# Allegro board 1156197-TDI_VU3P_QSFP28_CXP_V001_1023A-166-20241121_1644_PCB.brd (continued)
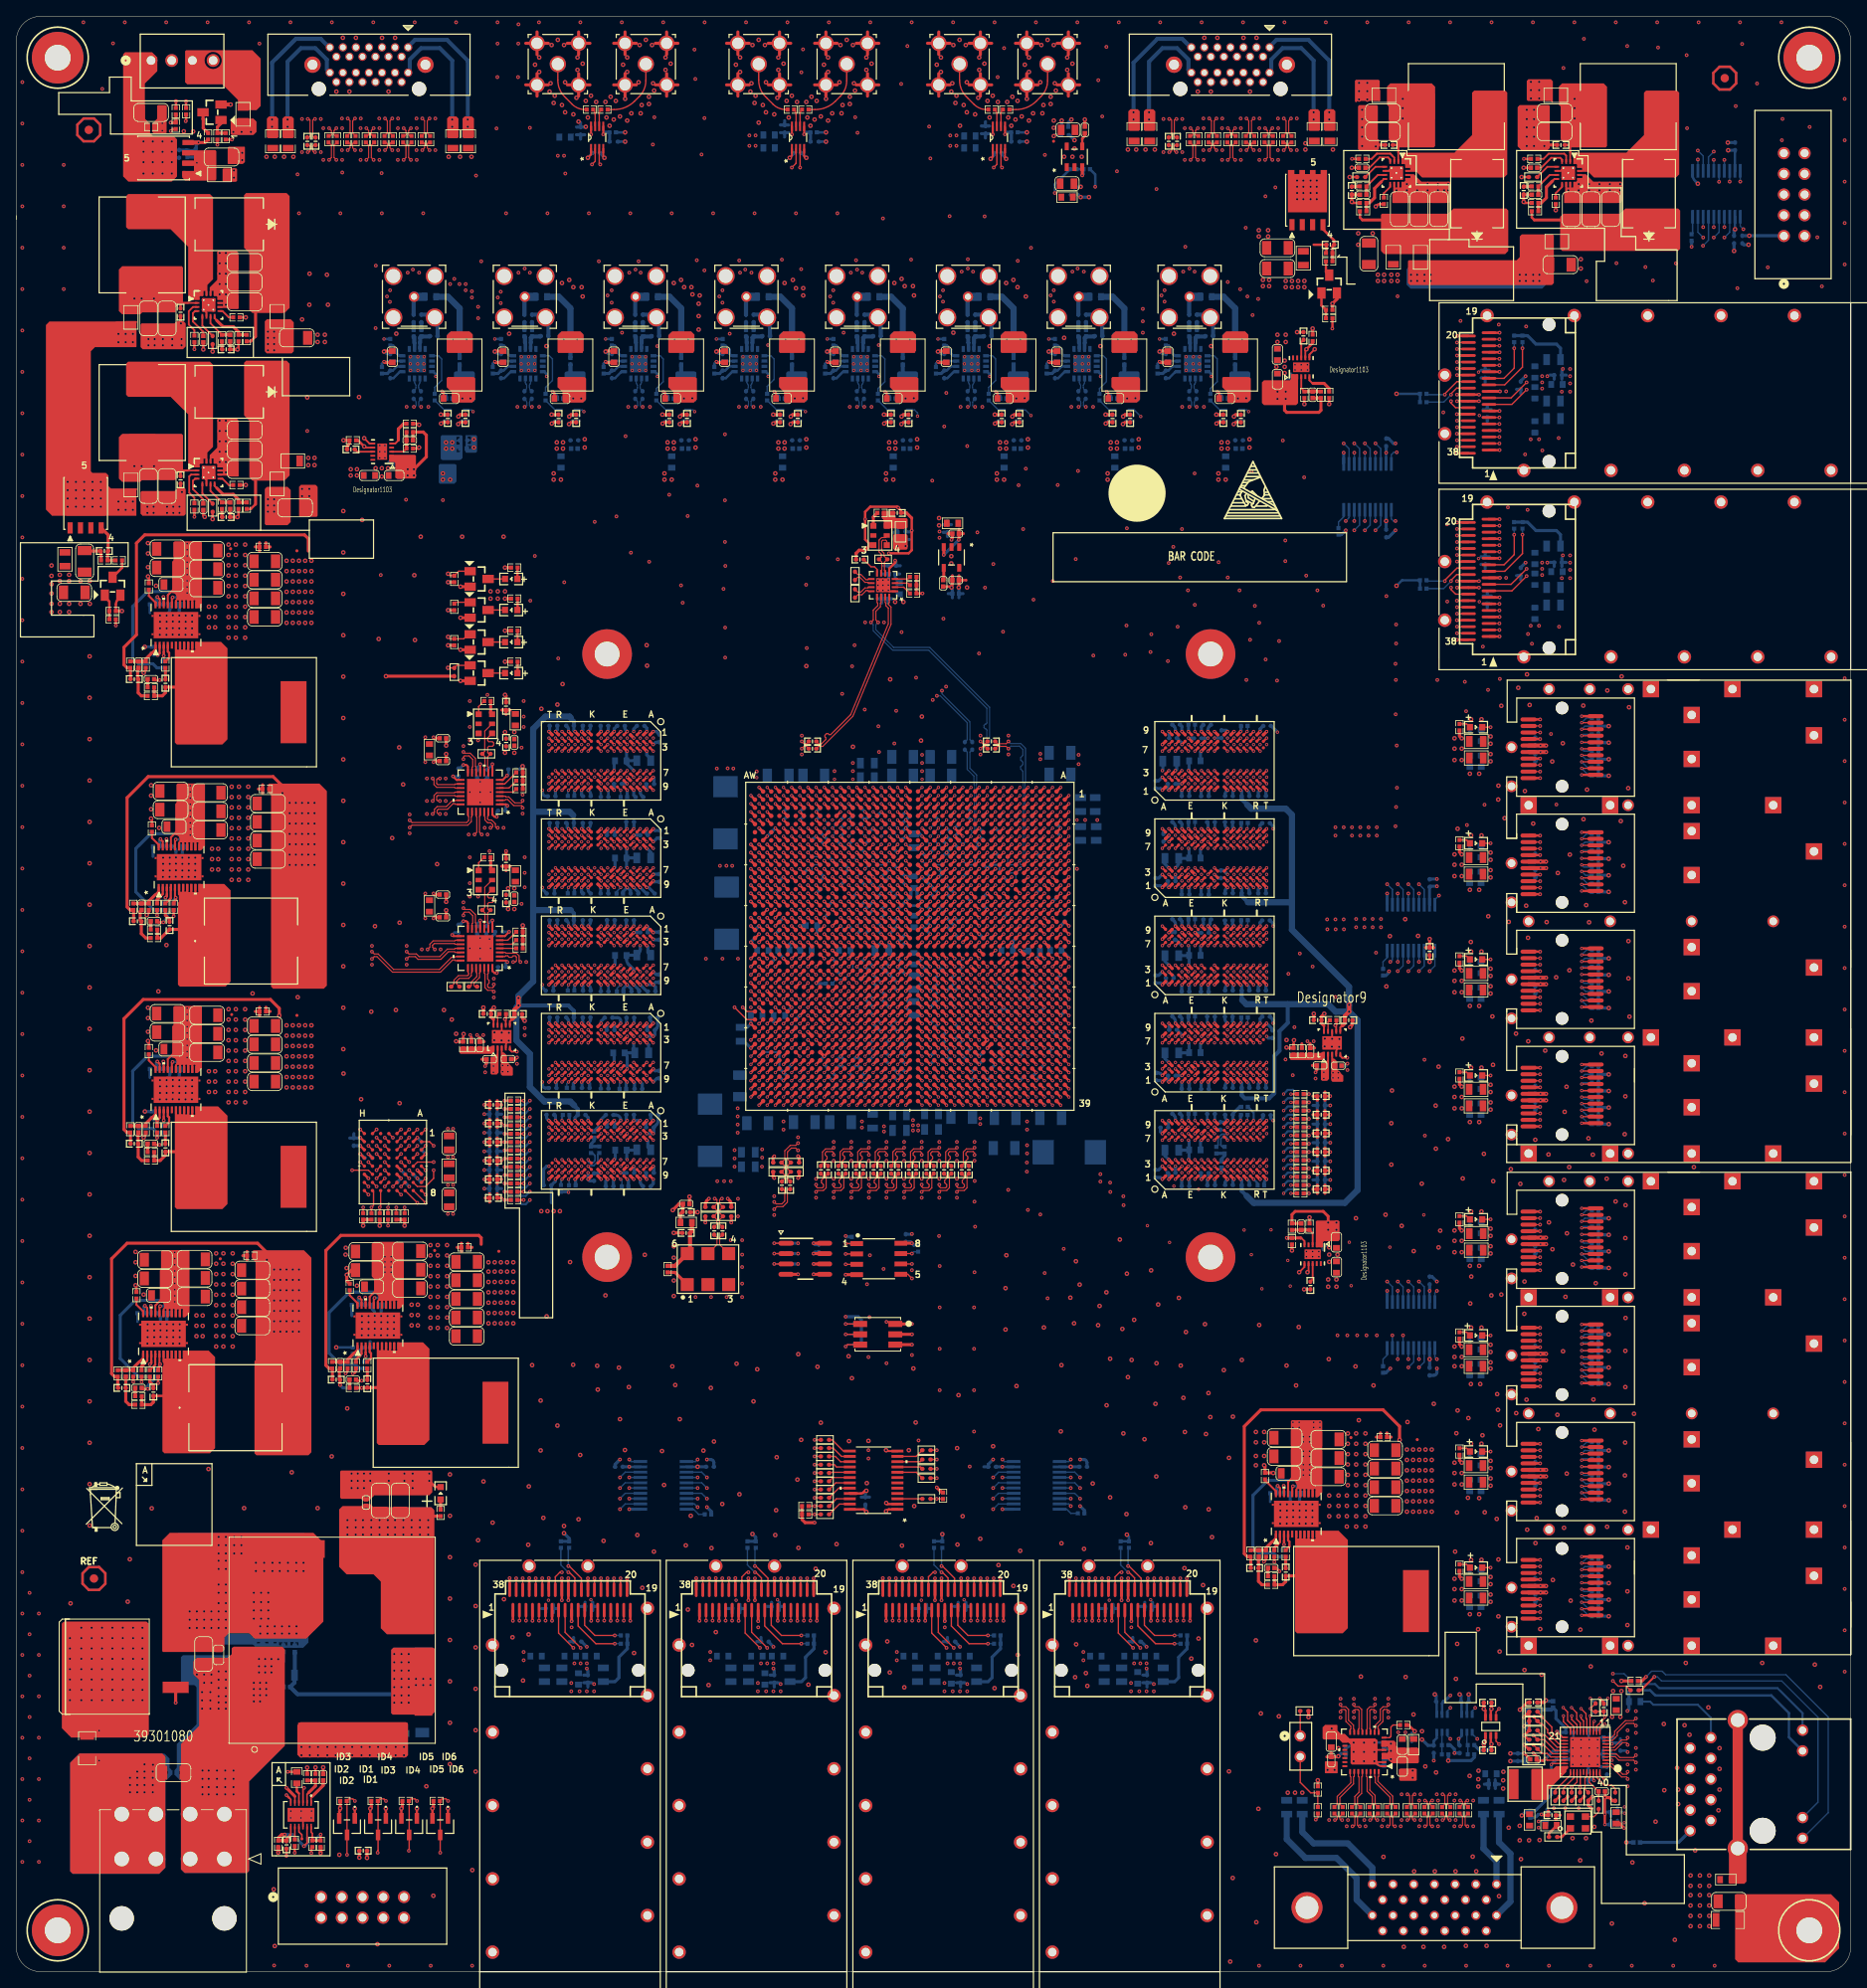
[diagram p0: board, top side]
## Routing (per net, layer and track width the routed paths; a pad name or vN(x,y) marks a point on that pad's centre or on a via; arc(x,y) is an arc through that point) (continued)
  ART12 w0.122: v1(164.34,129.21) 163.83,129.72 163.83,134.37 169.9,140.44 169.9,202.14 181.38,213.61 206.4,213.61 v1(206.9,214.12)
  BOTTOM w0.17: U4.8 v1(206.9,214.12)
CHA_FAN_PWM: length 210.3
  TOP w0.305: R590.1 20.83,227.18 v1(20.78,227.13)
  ART16 w0.122: v1(20.78,227.13) 22.56,227.13 23.37,226.31 23.37,220.47 24.77,219.07 30.1,219.07 31.88,217.3 122.56,217.3 125.09,219.84 131.44,219.84 131.95,220.34 133.6,220.34 134.11,219.84 137.29,219.84 141.86,215.26 153.92,215.26 158.24,210.95 202.18,210.95 207.26,216.03 207.26,221.41 v1(206.25,222.42)
  BOTTOM w0.17: U4.12 v1(206.25,222.42)
CHA_FAN_PWM_1V8: length 218.6
  TOP w0.152: U1.H31 v1(122.1,114.36)
  ART03 w0.122: v1(164.34,128.19) 164.34,125.35 165.86,123.83 165.86,96.25 163.34,93.73 140.95,93.73 131.67,103 131.67,113.26 131.06,113.87 131.06,114.68 129.67,116.08 129.67,116.59 129.41,116.84 126.87,116.84 126.62,117.09 126.62,117.48 126.24,117.86 122.94,117.86 122.56,117.47 122.56,114.81 v1(122.1,114.36)
  ART12 w0.122: v1(164.34,128.19) 164.85,128.7 164.85,129.54 164.34,130.05 164.34,134.23 170.41,140.3 170.41,201.93 181.33,212.85 v1(206.9,212.85)
  BOTTOM w0.17: U4.9 206.25,213.5 v1(206.9,212.85)
CHA_FAN_PWREN: length 289.3
  TOP w0.152: U1.K27 v1(120.1,118.36)
  TOP w0.305: R587.2 v1(26.44,224.87)
  ART12 w0.254: v1(26.44,224.87) 27.86,224.87 29.34,223.39 29.34,221.62 31.67,219.28 116.48,219.28 122.48,213.28 145.36,213.28 149.71,208.94 158.9,208.94 162.43,205.41 162.43,192.15 161.04,190.75 161.04,173.99 162.56,172.47 162.56,140.72 v1(162.81,140.46)
  ART14 w0.254: v1(162.81,140.46) 162.43,140.08 162.43,138.3 160.99,136.86 122.84,136.86 122.58,136.6 122.58,136.09 122.34,135.86 114.9,135.86 114.6,135.56 114.6,133.14 114.31,132.86 113.88,132.86 113.6,132.57 113.6,118.11 113.85,117.86 119.38,117.86 119.88,118.36 v1(120.1,118.36)
CHA_FPGA_DDR4_C1_A0: length 130.7
  TOP w0.267: U11.P3 v3(66.93,114) ; U1.AH9 v1(101.1,137.36) ; U7.P3 v3(66.93,125.94) ; U8.P3 v3(66.93,137.88) ; U10.P3 v3(66.93,149.82) ; U9.P3 v3(66.93,102.06)
  ART05 w0.122: v3(66.93,149.82) 66.93,148.16 66.53,147.76 66.53,144.44 66.65,144.32 66.83,144.32 66.95,144.2 66.95,143.95 66.83,143.83 66.27,143.83 66.15,143.71 66.15,143.49 66.3,143.34 66.83,143.34 66.95,143.22 66.95,142.98 66.83,142.85 66.27,142.85 66.15,142.73 66.15,142.51 66.3,142.37 66.83,142.37 66.95,142.24 66.95,142 66.83,141.88 66.27,141.88 66.15,141.76 66.15,141.54 66.3,141.39 66.83,141.39 66.95,141.27 66.95,141.03 66.83,140.9 66.65,140.9 66.53,140.78 66.53,138.28 v3(66.93,137.88) 66.93,136.22 66.53,135.82 66.53,132.5 66.65,132.38 66.81,132.38 66.93,132.26 66.93,132.01 66.81,131.89 66.65,131.89 66.53,131.77 66.53,131.58 66.7,131.4 66.81,131.4 66.93,131.28 66.93,131.04 66.81,130.92 66.65,130.92 66.53,130.79 66.53,130.6 66.7,130.43 66.81,130.43 66.93,130.31 66.93,130.06 66.81,129.94 66.65,129.94 66.53,129.82 66.53,129.58 66.65,129.45 66.81,129.45 66.95,129.31 66.95,129.09 66.83,128.97 66.65,128.97 66.53,128.84 66.53,126.34 v3(66.93,125.94) 66.93,124.28 66.53,123.88 66.53,120.56 66.65,120.44 66.81,120.44 66.93,120.32 66.93,120.08 66.81,119.95 66.65,119.95 66.53,119.83 66.53,119.64 66.7,119.47 66.81,119.47 66.93,119.34 66.93,119.1 66.81,118.98 66.65,118.98 66.53,118.86 66.53,118.66 66.7,118.49 66.81,118.49 66.93,118.37 66.93,118.12 66.81,118 66.65,118 66.53,117.88 66.53,117.64 66.65,117.52 66.81,117.52 66.95,117.37 66.95,117.15 66.83,117.03 66.65,117.03 66.53,116.91 66.53,114.4 v3(66.93,114) 66.93,112.35 66.53,111.95 66.53,108.63 66.65,108.5 66.81,108.5 66.93,108.38 66.93,108.14 66.81,108.02 66.65,108.02 66.53,107.89 66.53,107.7 66.7,107.53 66.81,107.53 66.93,107.41 66.93,107.16 66.81,107.04 66.65,107.04 66.53,106.92 66.53,106.73 66.7,106.55 66.81,106.55 66.93,106.43 66.93,106.19 66.81,106.07 66.65,106.07 66.53,105.94 66.53,105.7 66.65,105.58 66.81,105.58 66.95,105.43 66.95,105.21 66.83,105.09 66.65,105.09 66.53,104.97 66.53,102.46 v3(66.93,102.06)
  ART07 w0.165: v3(66.93,102.06) 66.85,102.06 66.52,102.39 66.52,103.05 66.31,103.26 65.07,103.26
  ART07 w0.191: v1(62.99,102.84) 63.6,102.84 64.02,103.26 65.07,103.26
  ART12 w0.165: 67.33,152.75 U10.P3 v3(66.93,149.82)
  ART12 w0.191: 67.33,152.75 70.7,156.12 90.46,156.12 91.07,155.51 91.34,155.51 91.75,155.91 92.01,155.91 92.28,155.64 92.28,155.38 91.88,154.97 91.88,154.7 92.15,154.43 92.42,154.43 92.82,154.84 93.09,154.84 93.36,154.57 93.36,154.3 92.96,153.89 92.96,153.62 93.23,153.35 93.5,153.35 93.9,153.76 94.17,153.76 94.44,153.49 94.44,153.22 93.99,152.77 93.99,152.5 94.25,152.23 94.53,152.23 94.98,152.68 95.25,152.68 95.52,152.41 95.52,152.14 95.11,151.74 95.11,151.47 95.71,150.87 95.71,149.2 96.47,148.44 96.61,148.44 96.98,148.07 97.25,148.07 97.75,148.57 98.02,148.57 98.29,148.3 98.29,148.03 97.79,147.53 97.79,147.26 98.06,146.99 98.33,146.99 98.69,147.35 98.96,147.35 99.23,147.08 99.23,146.81 98.87,146.45 98.87,146.18 99.53,145.52 99.53,143.04 99.92,142.65 100.22,142.65 100.93,141.94 101.11,141.94 101.6,141.45 101.6,138.15 101.1,137.65 v1(101.1,137.36)
  BOTTOM w0.267: v1(62.99,102.84) 62.48,102.34 61.97,102.34 R95.1
CHA_FPGA_DDR4_C1_A1: length 125.6
  TOP w0.267: U10.P7 v3(66.93,147.42) ; U7.P7 v3(66.93,123.54) ; U9.P7 v3(66.93,99.66) ; U1.AL10 v1(98.1,136.36) ; U8.P7 v3(66.93,135.48) ; U11.P7 v3(66.93,111.6) ; R96.1 v1(62.23,99.8)
  ART07 w0.165: v3(66.93,99.66) 66.9,99.66 66.5,99.26 65.1,99.26 65.05,99.31
  ART07 w0.191: 65.05,99.31 62.71,99.31 v1(62.23,99.8)
  ART12 w0.191: v1(98.1,136.36) 98.58,136.83 98.58,141.5 98.2,141.88 95.58,141.88 94.59,142.88 94.59,145.75 94.4,145.94 93.87,145.94 93.68,146.13 93.68,146.51 93.87,146.7 94.14,146.7 94.33,146.89 94.33,147.43 94.55,147.65 94.55,147.92 94.28,148.19 94.01,148.19 93.8,147.97 93.53,147.97 93.26,148.24 93.26,148.51 93.47,148.73 93.47,149 93.2,149.27 92.93,149.27 92.72,149.05 92.45,149.05 92.18,149.32 92.18,149.59 92.39,149.81 92.39,150.07 92.12,150.34 91.85,150.34 91.64,150.13 91.37,150.13 91.1,150.4 91.1,150.67 91.32,150.88 91.32,151.15 91.05,151.42 90.78,151.42 90.56,151.21 90.29,151.21 90.02,151.48 90.02,151.75 90.24,151.96 90.24,152.23 89.97,152.5 89.7,152.5 89.48,152.28 89.21,152.28 88.94,152.55 88.94,152.82 89.16,153.04 89.16,153.31 88.89,153.58 88.62,153.58 88.41,153.36 88.14,153.36 88.02,153.48 71.31,153.48 70.61,152.78 70.61,149.6 70.36,149.35 68.88,149.35 68.51,148.98 68.51,148.27 68.32,148.08 67.94,148.08 67.75,148.27 67.75,148.98 67.56,149.17 67.12,149.17 66.93,148.98 v3(66.93,147.42)
  ART16 w0.122: v3(66.93,147.42) 66.53,147.02 66.53,144.5 66.41,144.38 66.26,144.38 66.14,144.26 66.14,144.01 66.26,143.89 66.64,143.89 66.76,143.77 66.76,143.53 66.64,143.4 66.21,143.4 66.09,143.28 66.09,143.04 66.21,142.92 66.64,142.92 66.76,142.79 66.76,142.55 66.64,142.43 66.29,142.43 66.17,142.31 66.17,142.06 66.29,141.94 66.64,141.94 66.76,141.82 66.76,141.58 66.64,141.45 66.26,141.45 66.14,141.33 66.14,141.09 66.26,140.97 66.41,140.97 66.53,140.84 66.53,135.88 v3(66.93,135.48) 66.53,135.08 66.53,132.49 66.41,132.36 66.26,132.36 66.14,132.24 66.14,132 66.26,131.88 66.41,131.88 66.56,131.73 66.56,131.51 66.43,131.39 66.26,131.39 66.14,131.27 66.14,131.02 66.26,130.9 66.41,130.9 66.56,130.75 66.56,130.54 66.43,130.41 66.26,130.41 66.14,130.29 66.14,130.05 66.26,129.93 66.41,129.93 66.56,129.78 66.56,129.56 66.43,129.44 66.26,129.44 66.14,129.32 66.14,129.07 66.26,128.95 66.41,128.95 66.53,128.83 66.53,123.94 v3(66.93,123.54) 66.53,123.14 66.53,120.55 66.41,120.43 66.26,120.43 66.14,120.3 66.14,120.06 66.26,119.94 66.32,119.94 66.45,119.82 66.45,119.57 66.32,119.45 66.26,119.45 66.14,119.33 66.14,119.08 66.26,118.96 66.41,118.96 66.56,118.82 66.56,118.6 66.43,118.48 66.26,118.48 66.14,118.35 66.14,118.11 66.26,117.99 66.41,117.99 66.56,117.84 66.56,117.62 66.43,117.5 66.26,117.5 66.14,117.38 66.14,117.13 66.26,117.01 66.41,117.01 66.53,116.89 66.53,112 v3(66.93,111.6) 66.53,111.2 66.53,108.61 66.41,108.49 66.26,108.49 66.14,108.37 66.14,108.12 66.26,108 66.32,108 66.45,107.88 66.45,107.63 66.32,107.51 66.26,107.51 66.14,107.39 66.14,107.15 66.26,107.02 66.41,107.02 66.56,106.88 66.56,106.66 66.43,106.54 66.26,106.54 66.14,106.42 66.14,106.17 66.26,106.05 66.41,106.05 66.56,105.9 66.56,105.68 66.43,105.56 66.26,105.56 66.14,105.44 66.14,105.2 66.26,105.07 66.41,105.07 66.53,104.95 66.53,100.06 v3(66.93,99.66)
CHA_FPGA_DDR4_C1_A2: length 128.7
  TOP w0.267: U8.R3 v3(66.13,137.88) ; U9.R3 v3(66.13,102.06) ; R97.1 v1(62.23,101.83) ; U10.R3 v3(66.13,149.82) ; U1.AJ11 v1(100.1,135.36) ; U7.R3 v3(66.13,125.94) ; U11.R3 v3(66.13,114)
  ART05 w0.122: v3(66.13,102.06) 65.73,102.46 65.73,106.81 65.85,106.94 65.92,106.94 66.04,107.06 66.04,107.3 65.92,107.42 65.85,107.42 65.73,107.55 65.73,107.79 65.85,107.91 65.92,107.91 66.04,108.03 66.04,108.28 65.92,108.4 65.85,108.4 65.73,108.52 65.73,112.57 65.85,112.69 66.4,112.69 66.52,112.81 66.52,113.06 66.4,113.18 65.85,113.18 65.73,113.3 65.73,113.6 v3(66.13,114) 65.73,114.4 65.73,118.75 65.85,118.87 65.92,118.87 66.04,119 66.04,119.24 65.92,119.36 65.85,119.36 65.73,119.48 65.73,119.73 65.85,119.85 65.92,119.85 66.04,119.97 66.04,120.21 65.92,120.34 65.85,120.34 65.73,120.46 65.73,124.51 65.85,124.63 66.4,124.63 66.52,124.75 66.52,124.99 66.4,125.12 65.85,125.12 65.73,125.24 65.73,125.54 v3(66.13,125.94) 65.73,126.34 65.73,130.69 65.85,130.81 65.92,130.81 66.04,130.93 66.04,131.18 65.92,131.3 65.85,131.3 65.73,131.42 65.73,131.66 65.85,131.79 65.92,131.79 66.04,131.91 66.04,132.15 65.92,132.27 65.85,132.27 65.73,132.4 65.73,136.44 65.85,136.57 66.4,136.57 66.52,136.69 66.52,136.93 66.4,137.05 65.85,137.05 65.73,137.18 65.73,137.48 v3(66.13,137.88) 65.73,138.28 65.73,140.82 65.61,140.95 65.32,140.95 65.2,141.07 65.2,141.31 65.32,141.43 65.61,141.43 65.73,141.56 65.73,141.8 65.61,141.92 65.32,141.92 65.2,142.04 65.2,142.29 65.32,142.41 65.61,142.41 65.73,142.53 65.73,142.78 65.61,142.9 65.32,142.9 65.2,143.02 65.2,143.26 65.32,143.39 65.61,143.39 65.73,143.51 65.73,143.75 65.61,143.87 65.32,143.87 65.2,143.99 65.2,144.24 65.32,144.36 65.61,144.36 65.73,144.48 65.73,148.38 65.85,148.5 66.4,148.5 66.52,148.63 66.52,148.87 66.4,148.99 65.85,148.99 65.73,149.11 65.73,149.42 v3(66.13,149.82)
  ART07 w0.165: v3(66.13,102.06) 65.73,102.46 64.97,102.46
  ART07 w0.191: 64.97,102.46 64.87,102.36 62.76,102.36 v1(62.23,101.83)
  ART12 w0.165: 66.53,152.48 U10.R3 v3(66.13,149.82)
  ART12 w0.191: v1(100.1,135.36) 100.58,135.84 101.27,135.84 101.6,136.17 101.6,137.54 101.93,137.87 102.31,137.87 102.62,138.17 102.62,141.5 102.29,141.83 101.85,141.83 101.52,142.17 101.52,142.6 101.3,142.82 101.04,142.82 100.66,143.21 100.66,145.46 99.69,146.43 99.69,147.97 100.09,148.36 100.09,148.63 99.82,148.9 99.55,148.9 99.16,148.5 98.89,148.5 97.99,149.41 97.72,149.41 97.43,149.12 97.16,149.12 96.89,149.39 96.89,149.66 97.18,149.94 97.18,150.21 96.97,150.42 96.97,151.85 92.13,156.69 70.41,156.69 66.53,152.81 66.53,152.48
CHA_FPGA_DDR4_C1_A3: length 122
  TOP w0.267: U1.AR8 v1(94.1,138.36) ; U10.N7 v3(67.73,147.42) ; U11.N7 v3(67.73,111.6) ; U7.N7 v3(67.73,123.54) ; U8.N7 v3(67.73,135.48) ; U9.N7 v3(67.73,99.66)
  ART07 w0.165: v3(67.73,147.42) 68.12,147.02 68.12,144.91
  ART07 w0.191: 68.12,144.91 68.12,144.08 68.31,143.89 78.49,143.89 79.36,144.77 79.36,147.46 81.62,149.72 82.38,149.72 82.58,149.53 82.58,149.1 82.77,148.91 83.15,148.91 83.34,149.1 83.34,150.84 83.53,151.03 83.86,151.03 84.1,150.79 84.1,149.1 84.29,148.91 84.67,148.91 84.86,149.1 84.86,150.85 85.05,151.04 85.38,151.04 85.62,150.8 85.62,149.95 85.86,149.72 86.18,149.72 86.39,149.93 86.39,150.85 86.58,151.04 86.91,151.04 87.15,150.8 87.15,149.91 87.34,149.72 87.68,149.72 87.91,149.95 87.91,150.85 88.1,151.04 88.63,151.04 88.82,150.85 88.82,149.91 89.01,149.72 89.59,149.72 91.57,147.74 91.57,141.17 92.91,139.83 93.34,139.83 93.62,139.55 93.62,139.07 94.1,138.59 v1(94.1,138.36)
  ART14 w0.191: v1(62.99,98.78) 64.44,100.23 67.16,100.23 67.72,99.66 v3(67.73,99.66)
  ART16 w0.122: v3(67.73,99.66) 67.33,100.06 67.33,105.3 67.45,105.42 67.57,105.42 67.69,105.54 67.69,105.79 67.57,105.91 67.3,105.91 67.18,106.03 67.18,106.27 67.3,106.4 67.57,106.4 67.69,106.52 67.69,106.76 67.57,106.88 67.3,106.88 67.18,107.01 67.18,107.25 67.3,107.37 67.57,107.37 67.69,107.49 67.69,107.74 67.57,107.86 67.45,107.86 67.33,107.98 67.33,111.2 v3(67.73,111.6) 67.33,112 67.33,117.24 67.45,117.36 67.57,117.36 67.69,117.48 67.69,117.73 67.57,117.85 67.3,117.85 67.18,117.97 67.18,118.21 67.3,118.33 67.57,118.33 67.69,118.46 67.69,118.7 67.57,118.82 67.3,118.82 67.18,118.94 67.18,119.19 67.3,119.31 67.57,119.31 67.69,119.43 67.69,119.68 67.57,119.8 67.45,119.8 67.33,119.92 67.33,123.14 v3(67.73,123.54) 67.33,123.94 67.33,129.18 67.45,129.3 67.57,129.3 67.69,129.42 67.69,129.66 67.57,129.79 67.3,129.79 67.18,129.91 67.18,130.15 67.3,130.27 67.57,130.27 67.69,130.39 67.69,130.64 67.57,130.76 67.3,130.76 67.18,130.88 67.18,131.13 67.3,131.25 67.57,131.25 67.69,131.37 67.69,131.61 67.57,131.74 67.45,131.74 67.33,131.86 67.33,135.08 v3(67.73,135.48) 67.33,135.88 67.33,141.11 67.45,141.24 67.57,141.24 67.69,141.36 67.69,141.6 67.57,141.72 67.3,141.72 67.18,141.85 67.18,142.09 67.3,142.21 67.57,142.21 67.69,142.33 67.69,142.58 67.57,142.7 67.3,142.7 67.18,142.82 67.18,143.06 67.3,143.19 67.57,143.19 67.69,143.31 67.69,143.55 67.57,143.67 67.45,143.67 67.33,143.8 67.33,147.02 v3(67.73,147.42)
  BOTTOM w0.267: R98.1 61.97,98.27 62.48,98.27 v1(62.99,98.78)
CHA_FPGA_DDR4_C1_A4: length 130.7
  TOP w0.267: U8.N3 v3(67.73,137.88) ; R99.1 v1(62.23,102.84) ; U11.N3 v3(67.73,114) ; U7.N3 v3(67.73,125.94) ; U9.N3 v3(67.73,102.06) ; U10.N3 v3(67.73,149.82) ; U1.AJ9 v1(100.1,137.36)
  ART05 w0.122: v3(67.73,102.06) U9.N3 68.13,104.74 68.01,104.87 67.86,104.87 67.74,104.99 67.74,105.23 67.86,105.35 68.01,105.35 68.13,105.48 68.13,105.72 68.01,105.84 67.86,105.84 67.74,105.96 67.74,106.21 67.86,106.33 68.01,106.33 68.13,106.45 68.13,106.7 68.01,106.82 67.86,106.82 67.74,106.94 67.74,107.18 67.86,107.31 68.01,107.31 68.13,107.43 68.13,107.67 68.01,107.79 67.86,107.79 67.74,107.91 67.74,108.16 67.86,108.28 68.01,108.28 68.13,108.4 68.13,111.83 67.73,112.23 v3(67.73,114) U11.N3 68.13,116.68 68.01,116.8 67.86,116.8 67.74,116.93 67.74,117.17 67.86,117.29 68.01,117.29 68.13,117.41 68.13,117.66 68.01,117.78 67.86,117.78 67.74,117.9 67.74,118.15 67.86,118.27 68.01,118.27 68.13,118.39 68.13,118.63 68.01,118.76 67.86,118.76 67.74,118.88 67.74,119.12 67.86,119.24 68.01,119.24 68.13,119.37 68.13,119.61 68.01,119.73 67.86,119.73 67.74,119.85 67.74,120.1 67.86,120.22 68.01,120.22 68.13,120.34 68.13,123.77 67.73,124.17 v3(67.73,125.94) U7.N3 68.13,128.62 68.01,128.74 67.86,128.74 67.74,128.86 67.74,129.11 67.86,129.23 68.01,129.23 68.13,129.35 68.13,129.6 68.01,129.72 67.86,129.72 67.74,129.84 67.74,130.08 67.86,130.21 68.01,130.21 68.13,130.33 68.13,130.57 68.01,130.69 67.86,130.69 67.74,130.82 67.74,131.06 67.86,131.18 68.01,131.18 68.13,131.3 68.13,131.55 68.01,131.67 67.86,131.67 67.74,131.79 67.74,132.03 67.86,132.16 68.01,132.16 68.13,132.28 68.13,135.7 67.73,136.1 v3(67.73,137.88) U8.N3 68.13,140.97 68.01,141.09 67.84,141.09 67.72,141.21 67.72,141.46 67.84,141.58 68.39,141.58 68.51,141.7 68.51,141.94 68.39,142.06 67.84,142.06 67.72,142.19 67.72,142.43 67.84,142.55 68.39,142.55 68.51,142.67 68.51,142.92 68.39,143.04 67.84,143.04 67.72,143.16 67.72,143.41 67.84,143.53 68.39,143.53 68.51,143.65 68.51,143.89 68.39,144.02 67.84,144.02 67.72,144.14 67.72,144.38 67.84,144.5 68.01,144.5 68.13,144.63 68.13,147.64 67.73,148.04 v3(67.73,149.82)
  ART07 w0.165: v3(67.73,102.06) 67.73,102.2 67.33,102.6 67.33,103.82 67.09,104.06 64.97,104.06
  ART07 w0.191: 64.97,104.06 64.18,104.06 63.47,103.35 62.74,103.35 v1(62.23,102.84)
  ART12 w0.165: 68.13,152.48 U10.N3 v3(67.73,149.82)
  ART12 w0.191: v1(100.1,137.36) 100.58,137.84 100.58,141.53 100.03,142.09 99.72,142.09 98.68,143.13 98.68,145.41 98.1,145.98 97.84,145.98 97.58,145.72 97.31,145.72 97.04,145.99 97.04,146.26 97.3,146.52 97.3,146.79 97.03,147.06 96.76,147.06 96.32,146.62 96.05,146.62 95.78,146.89 95.78,147.16 96.22,147.6 96.22,147.87 94.84,149.25 94.84,149.62 95.05,149.83 95.05,150.25 94.86,150.44 94.59,150.44 94.3,150.16 94.03,150.16 93.83,150.36 93.83,150.63 94.35,151.15 94.35,151.42 94.08,151.69 93.81,151.69 93.29,151.16 93.02,151.16 92.75,151.43 92.75,151.7 93.27,152.23 93.27,152.5 93,152.77 92.74,152.77 92.21,152.24 91.94,152.24 91.67,152.51 91.67,152.78 92.2,153.3 92.2,153.57 91.93,153.84 91.66,153.84 91.13,153.32 90.86,153.32 90.59,153.59 90.59,153.86 91.12,154.38 91.12,154.65 90.85,154.92 90.58,154.92 90.06,154.4 89.79,154.4 89.64,154.55 89.64,154.97 89.39,155.21 88.97,155.21 88.63,155.55 70.99,155.55 68.13,152.69 68.13,152.48
CHA_FPGA_DDR4_C1_A5: length 127.8
  TOP w0.267: U1.AM12 v1(97.1,134.36) ; U9.P8 v3(66.93,98.06) ; R100.1 v1(62.23,97.76) ; U8.P8 v3(66.93,133.88) ; U7.P8 v3(66.93,121.94) ; U11.P8 v3(66.93,110) ; U10.P8 v3(66.93,145.82)
  ART07 w0.165: v3(66.93,145.82) 66.54,145.42 66.54,144.75 ; 65.05,97.66 66.53,97.66 v3(66.93,98.06)
  ART07 w0.191: v1(97.1,134.36) 97.1,134.02 96.91,133.83 95.89,133.83 95.63,134.09 95.63,135.51 95.25,135.89 94.87,135.89 94.61,136.14 94.61,136.65 94.36,136.91 93.85,136.91 93.6,137.16 93.6,137.54 93.27,137.87 92.77,137.87 92.58,138.06 92.58,138.56 92.33,138.81 91.39,138.81 89.66,140.54 89.66,143.99 88.79,144.86 88.79,146.9 88.6,147.09 88.22,147.09 88.03,146.9 88.03,145.16 87.84,144.97 87.46,144.97 87.27,145.16 87.27,146.9 87.08,147.09 86.7,147.09 86.51,146.9 86.51,145.16 86.32,144.97 85.94,144.97 85.75,145.16 85.75,146.9 85.56,147.09 85.18,147.09 84.98,146.9 84.98,145.16 84.79,144.97 84.41,144.97 84.22,145.16 84.22,146.32 84.03,146.51 83.65,146.51 83.46,146.32 83.46,145.16 83.27,144.97 82.89,144.97 82.7,145.16 82.7,146.19 82.51,146.38 82.15,146.38 81.94,146.16 81.94,145.16 81.75,144.97 81.26,144.97 78.91,142.62 66.73,142.62 66.54,142.81 66.54,144.75 ; 65.05,97.66 64.49,97.66 64.08,97.26 62.74,97.26 v1(62.23,97.76)
  ART12 w0.122: v3(66.93,98.06) 66.53,98.46 66.53,100.01 66.65,100.13 66.81,100.13 66.93,100.25 66.93,100.5 66.81,100.62 66.6,100.62 66.48,100.74 66.48,100.98 66.6,101.11 66.81,101.11 66.93,101.23 66.93,101.47 66.81,101.59 66.65,101.59 66.53,101.72 66.53,104.93 66.55,104.95 66.55,106.86 66.43,106.98 66.31,106.98 66.19,107.1 66.19,107.35 66.31,107.47 66.43,107.47 66.55,107.59 66.55,107.84 66.43,107.96 66.31,107.96 66.19,108.08 66.19,108.32 66.31,108.45 66.43,108.45 66.55,108.57 66.55,109.62 v3(66.93,110) 66.53,110.4 66.53,111.95 66.65,112.07 66.81,112.07 66.93,112.19 66.93,112.43 66.81,112.56 66.6,112.56 66.48,112.68 66.48,112.92 66.6,113.04 66.81,113.04 66.93,113.17 66.93,113.41 66.81,113.53 66.65,113.53 66.53,113.65 66.53,116.87 66.55,116.88 66.55,118.8 66.43,118.92 66.31,118.92 66.19,119.04 66.19,119.29 66.31,119.41 66.43,119.41 66.55,119.53 66.55,119.77 66.43,119.9 66.31,119.9 66.19,120.02 66.19,120.26 66.31,120.38 66.43,120.38 66.55,120.5 66.55,121.56 v3(66.93,121.94) 66.53,122.34 66.53,123.88 66.65,124.01 66.81,124.01 66.93,124.13 66.93,124.37 66.81,124.49 66.6,124.49 66.48,124.62 66.48,124.86 66.6,124.98 66.81,124.98 66.93,125.1 66.93,125.35 66.81,125.47 66.65,125.47 66.53,125.59 66.53,128.8 66.55,128.82 66.55,130.74 66.43,130.86 66.31,130.86 66.19,130.98 66.19,131.22 66.31,131.35 66.43,131.35 66.55,131.47 66.55,131.71 66.43,131.83 66.31,131.83 66.19,131.96 66.19,132.2 66.31,132.32 66.43,132.32 66.55,132.44 66.55,133.49 v3(66.93,133.88) 66.53,134.28 66.53,135.82 66.65,135.94 66.81,135.94 66.93,136.07 66.93,136.31 66.81,136.43 66.6,136.43 66.48,136.55 66.48,136.8 66.6,136.92 66.81,136.92 66.93,137.04 66.93,137.29 66.81,137.41 66.65,137.41 66.53,137.53 66.53,140.97 66.41,141.09 66.31,141.09 66.19,141.21 66.19,141.46 66.31,141.58 66.45,141.58 66.57,141.7 66.57,141.94 66.45,142.06 66.31,142.06 66.19,142.19 66.19,142.43 66.31,142.55 66.51,142.55 66.63,142.67 66.63,142.92 66.51,143.04 66.31,143.04 66.19,143.16 66.19,143.41 66.31,143.53 66.51,143.53 66.63,143.65 66.63,143.89 66.51,144.02 66.31,144.02 66.19,144.14 66.19,144.38 66.31,144.5 66.4,144.5 66.55,144.65 66.55,145.43 v3(66.93,145.82)
CHA_FPGA_DDR4_C1_A6: length 132.4
  TOP w0.267: U9.P2 v3(66.93,103.66) ; U1.AH12 v1(101.1,134.36) ; U10.P2 v3(66.93,151.42) ; U8.P2 v3(66.93,139.48) ; U7.P2 v3(66.93,127.54) ; U11.P2 v3(66.93,115.6)
  ART03 w0.122: v3(66.93,151.42) U10.P2 67.33,149.53 67.45,149.4 67.75,149.4 67.87,149.28 67.87,149.04 67.75,148.92 67.45,148.92 67.33,148.79 67.33,148.55 67.45,148.43 67.75,148.43 67.87,148.31 67.87,148.06 67.75,147.94 67.45,147.94 67.33,147.82 67.33,144.86 67.45,144.74 67.45,144.57 67.33,144.45 67.1,144.45 66.98,144.33 66.98,144.08 67.1,143.96 67.37,143.96 67.49,143.84 67.49,143.6 67.37,143.47 67.1,143.47 66.98,143.35 66.98,143.11 67.1,142.99 67.37,142.99 67.49,142.86 67.49,142.62 67.37,142.5 67.1,142.5 66.98,142.38 66.98,142.13 67.1,142.01 67.37,142.01 67.49,141.89 67.49,141.65 67.37,141.52 67.1,141.52 66.98,141.4 66.98,141.16 67.1,141.04 67.37,141.04 67.49,140.91 67.49,140.67 67.33,140.51 67.33,139.88 v3(66.93,139.48) U8.P2 67.33,137.59 67.45,137.47 67.75,137.47 67.87,137.34 67.87,137.1 67.75,136.98 67.45,136.98 67.33,136.86 67.33,136.61 67.45,136.49 67.75,136.49 67.87,136.37 67.87,136.12 67.75,136 67.45,136 67.33,135.88 67.33,132.31 67.54,132.11 67.54,131.83 67.33,131.62 67.33,131.34 67.54,131.13 67.54,130.85 67.33,130.64 67.33,127.94 v3(66.93,127.54) U7.P2 67.33,125.65 67.45,125.53 67.75,125.53 67.87,125.41 67.87,125.16 67.75,125.04 67.45,125.04 67.33,124.92 67.33,124.67 67.45,124.55 67.75,124.55 67.87,124.43 67.87,124.19 67.75,124.06 67.45,124.06 67.33,123.94 67.33,120.38 67.54,120.17 67.54,119.89 67.33,119.68 67.33,119.4 67.54,119.19 67.54,118.91 67.33,118.7 67.33,116 v3(66.93,115.6) U11.P2 67.33,113.71 67.45,113.59 67.75,113.59 67.87,113.47 67.87,113.22 67.75,113.1 67.45,113.1 67.33,112.98 67.33,112.74 67.45,112.61 67.75,112.61 67.87,112.49 67.87,112.25 67.75,112.13 67.45,112.13 67.33,112 67.33,108.44 67.54,108.23 67.54,107.95 67.33,107.74 67.33,107.46 67.54,107.25 67.54,106.98 67.33,106.77 67.33,104.06 v3(66.93,103.66)
  ART05 w0.165: 66.53,152.66 66.53,151.82 v3(66.93,151.42)
  ART05 w0.191: 66.53,152.66 67.23,153.37 78.87,153.37 79.45,152.78 79.45,150.93 80,150.37 80.27,150.37 81.65,151.76 81.92,151.76 82.19,151.49 82.19,151.22 80.56,149.58 80.56,149.31 80.83,149.04 81.1,149.04 82.8,150.74 83.07,150.74 83.34,150.47 83.34,150.2 81.62,148.49 81.62,148.22 81.89,147.95 82.16,147.95 83.81,149.6 84.08,149.6 84.35,149.33 84.35,149.06 82.9,147.61 82.9,147.34 83.73,146.51 85.01,146.51 87.66,143.87 91.36,143.87 91.64,143.59 91.64,143.15 92,142.8 92.63,142.8 93.62,141.81 96.93,141.81 97.89,140.84 98.32,140.84 98.55,140.61 98.55,140.18 98.86,139.88 99.36,139.88 99.62,139.62 99.62,139.17 99.87,138.91 100.3,138.91 100.63,138.58 100.63,134.82 v1(101.1,134.36)
  ART14 w0.165: 66.42,104.8 66.53,104.69 66.53,104.06 v3(66.93,103.66)
  ART14 w0.191: 66.42,104.8 66.32,104.9 63.02,104.9 v1(62.99,104.88)
  BOTTOM w0.267: v1(62.99,104.88) 62.48,104.37 61.97,104.37 R101.1
CHA_FPGA_DDR4_C1_A7: length 114
  TOP w0.267: R102.1 v1(62.23,98.78) ; U10.R8 v3(66.13,145.82) ; U9.R8 v3(66.13,98.06) ; U1.AV9 v1(91.1,137.36) ; U8.R8 v3(66.13,133.88) ; U11.R8 v3(66.13,110) ; U7.R8 v3(66.13,121.94)
  ART07 w0.165: 65.74,144.86 65.74,145.42 v3(66.13,145.82) ; v3(66.13,98.06) 65.73,98.46 65.02,98.46
  ART07 w0.191: v1(91.1,137.36) 90.6,137.86 90.6,138.48 89.09,139.99 89.09,140.38 88.9,140.57 87.74,140.57 87.55,140.76 87.55,141.14 87.74,141.33 88.9,141.33 89.09,141.52 89.09,141.95 88.9,142.14 86.7,142.14 86.48,142.35 86.48,142.71 86.67,142.9 88.9,142.9 89.09,143.09 89.09,143.48 88.9,143.68 88.38,143.68 88.19,143.87 88.19,144.21 88,144.4 87.62,144.4 87.43,144.21 87.43,143.87 87.23,143.68 86.85,143.68 86.66,143.87 86.66,144.21 86.47,144.4 86.09,144.4 85.9,144.21 85.9,143.87 85.71,143.68 85.33,143.68 85.14,143.87 85.14,144.21 84.95,144.4 84.57,144.4 84.38,144.21 84.38,143.87 84.19,143.68 83.81,143.68 83.62,143.87 83.62,144.21 83.42,144.4 83.04,144.4 82.85,144.21 82.85,143.87 82.66,143.68 82.28,143.68 82.09,143.87 82.09,144.21 81.9,144.4 81.52,144.4 81.33,144.21 81.33,143.87 81.14,143.68 80.78,143.68 79.11,142.01 65.93,142.01 65.74,142.2 65.74,144.85 65.74,144.86 ; v1(62.23,98.78) 62.69,98.32 64.88,98.32 65.02,98.46
  ART12 w0.122: v3(66.13,145.82) 65.73,145.41 65.73,144.55 65.61,144.43 65.48,144.43 65.35,144.31 65.35,144.07 65.48,143.94 65.61,143.94 65.73,143.82 65.73,143.58 65.61,143.46 65.48,143.46 65.35,143.33 65.35,143.09 65.48,142.97 65.61,142.97 65.73,142.85 65.73,142.6 65.61,142.48 65.48,142.48 65.35,142.36 65.35,142.12 65.48,141.99 65.61,141.99 65.73,141.87 65.73,141.63 65.61,141.51 65.48,141.51 65.35,141.38 65.35,141.14 65.48,141.02 65.61,141.02 65.73,140.9 65.73,137.54 65.85,137.42 66.07,137.42 66.19,137.3 66.19,137.05 66.07,136.93 65.85,136.93 65.73,136.81 65.73,136.57 65.85,136.44 66.07,136.44 66.19,136.32 66.19,136.08 66.07,135.96 65.85,135.96 65.73,135.83 65.73,134.28 v3(66.13,133.88) 65.73,133.48 65.73,132.58 65.61,132.46 65.53,132.46 65.41,132.34 65.41,132.09 65.53,131.97 65.61,131.97 65.73,131.85 65.73,131.6 65.61,131.48 65.53,131.48 65.41,131.36 65.41,131.12 65.53,130.99 65.61,130.99 65.73,130.87 65.73,125.6 65.85,125.48 66.07,125.48 66.19,125.36 66.19,125.12 66.07,124.99 65.85,124.99 65.73,124.87 65.73,124.63 65.85,124.51 66.07,124.51 66.19,124.38 66.19,124.14 66.07,124.02 65.85,124.02 65.73,123.9 65.73,122.34 v3(66.13,121.94) 65.73,121.54 65.73,120.64 65.61,120.52 65.53,120.52 65.41,120.4 65.41,120.15 65.53,120.03 65.61,120.03 65.73,119.91 65.73,119.67 65.61,119.54 65.58,119.54 65.46,119.42 65.46,119.18 65.58,119.06 65.61,119.06 65.73,118.93 65.73,113.67 65.85,113.54 66.07,113.54 66.19,113.42 66.19,113.18 66.07,113.06 65.85,113.06 65.73,112.93 65.73,112.69 65.85,112.57 66.07,112.57 66.19,112.45 66.19,112.2 66.07,112.08 65.85,112.08 65.73,111.96 65.73,110.4 v3(66.13,110) 65.73,109.6 65.73,108.7 65.61,108.58 65.53,108.58 65.41,108.46 65.41,108.22 65.53,108.09 65.61,108.09 65.73,107.97 65.73,107.73 65.61,107.61 65.58,107.61 65.46,107.48 65.46,107.24 65.58,107.12 65.61,107.12 65.73,107 65.73,101.73 65.85,101.61 66.07,101.61 66.19,101.48 66.19,101.24 66.07,101.12 65.85,101.12 65.73,101 65.73,100.75 65.85,100.63 66.07,100.63 66.19,100.51 66.19,100.26 66.07,100.14 65.85,100.14 65.73,100.02 65.73,98.46 v3(66.13,98.06)
